# Altium PCB Jackson.PcbDoc (part 2 of 2)
Units mm, origin at the board's own origin, x right, y up, seen from the top; angles counter-clockwise.
Board outline 60 x 40 mm, 4 copper layers (Top Layer, Layer 1, Layer 2, Bottom Layer), stack 1.537 mm thick; 125 components, 101 nets, 494 pads, 259 vias.
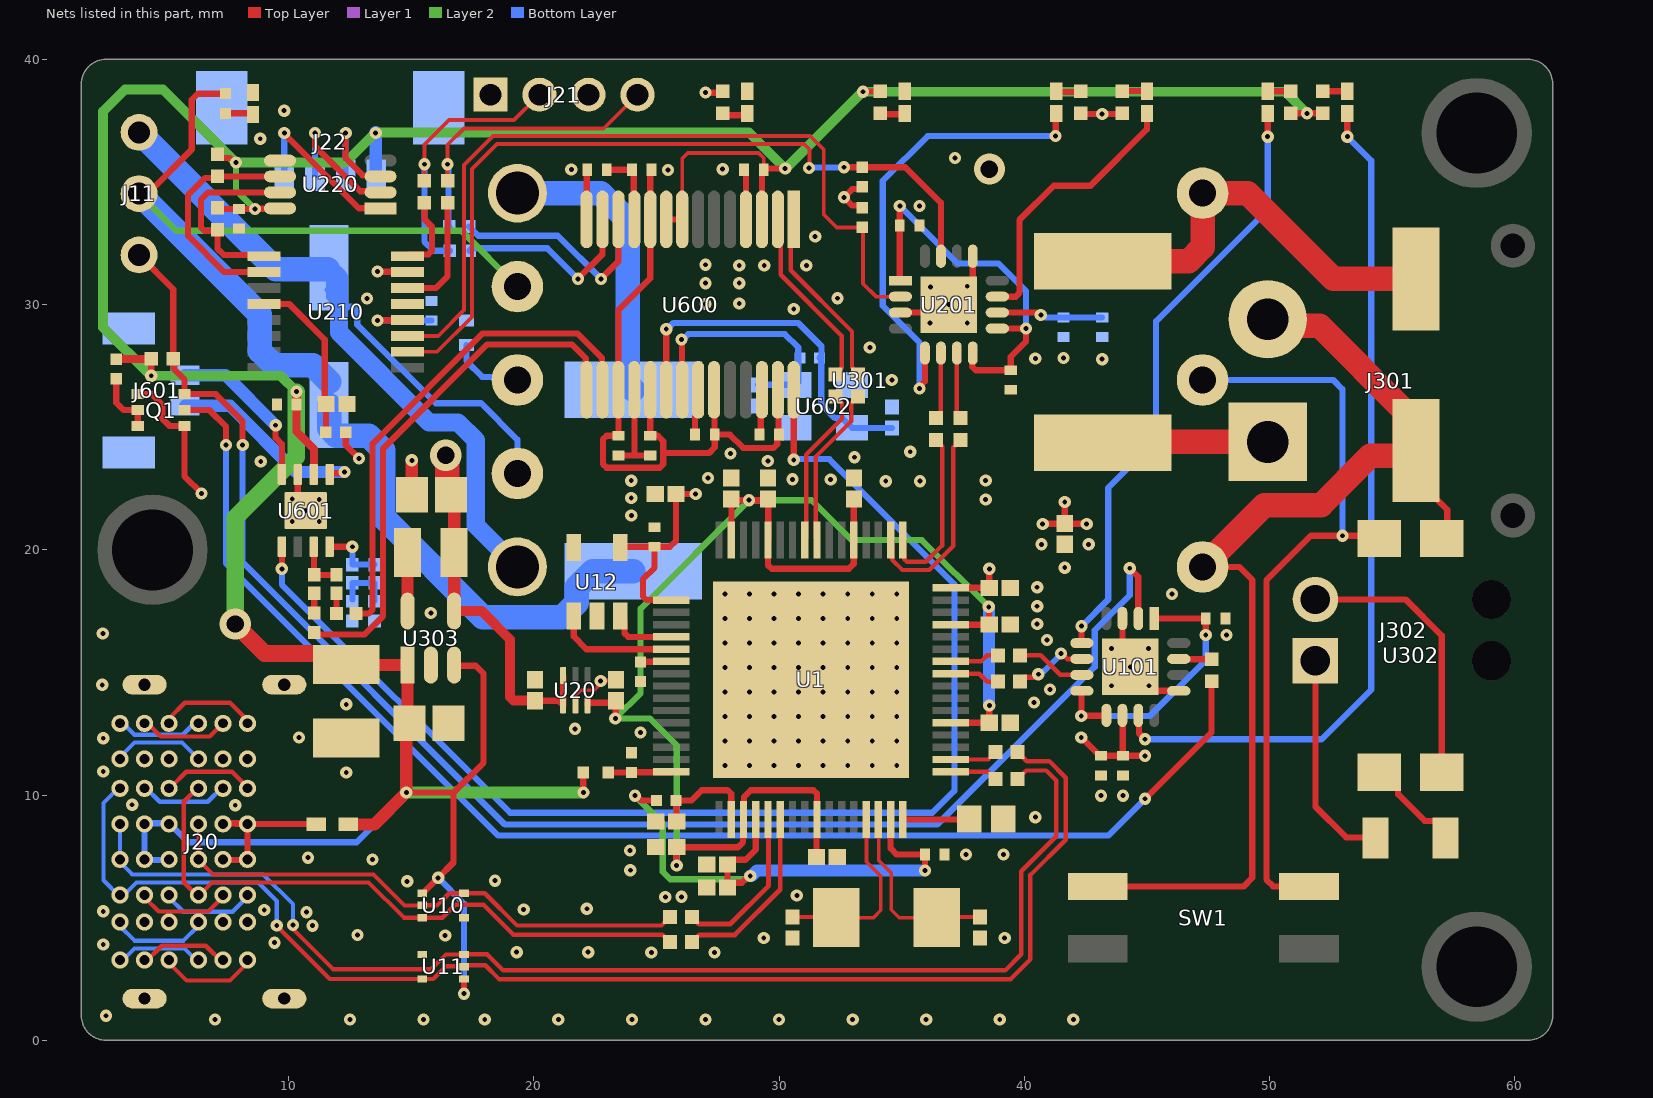
[diagram p4: the nets of this part, all layers, seen from the top]

## Via types
v1: diameter 0.5, hole 0.2, Top Layer to Bottom Layer, 256 vias
v2: diameter 1.27, hole 0.711, Top Layer to Bottom Layer, 3 vias

## Nets (pads, with @x,y where several pads share a name; then routed paths per layer and width w, separated by ;. In a path a pad name is that pad's centre, name@x,y a point inside that pad or via, vN(x,y) a via of type N, cw(c..) or ccw(c..) an arc to the next point about the centre after c; other vN are vias at no path point)
+1.1: C10.1 C11.1 C12.1 C13.1 C14.1 C15.1 C16.1 C21.1 U1.19 U1.25 U1.37 U1.45 U1.53 U1.60 U1.63 U20.3 | length 64.4
  Top Layer w0.254: U20.3@22.196,13.677 22.196,13.76 22.198,13.762 23.265,13.762 C21.1@23.337,13.835 ; v1(23.325,13.125) 23.337,13.137 C21.1@23.337,13.835 ; C21.1@23.35,13.848 C21.1@23.337,13.835 ; v1(25.825,7.125) 25.814,7.136 25.814,7.864 25.802,7.875 C16.1@25.827,7.875 28.325,7.875 28.535,8.085 28.535,8.985 U1.19@28.55,9 28.573,9.023 28.573,9.923 28.85,10.2 31.401,10.2 31.55,10.051 U1.25@31.55,9 U1.25@31.55,8.4 ; U1.63@28.068,20.395 28.059,20.404 28.059,22.014 28.05,22.023 28.051,22.024 28.774,22.024 v1(28.775,22.025) v1(28.775,22.025) 29.549,22.024 29.559,22.014 U1.60@29.559,20.404 ; U1.60@29.55,20.4 29.55,19.375 29.7,19.225 32.85,19.225 33.05,19.425 U1.53@33.05,20.376 ; C10.1@31.523,7.475 31.523,8.185 31.527,8.189 U1.25@31.527,8.4 ; U1.53@33.05,20.4 C13.1@33.05,22.073 ; U1.37@37,12.95 C11.1@38.573,12.95 ; U1.45@37.018,16.945 37.021,16.947 38.57,16.947 38.561,16.956 38.561,17.664 v1(38.55,17.675) ; C11.1@38.574,12.946 v1(38.575,13.65) v1(38.575,13.65)
  Layer 2 w0.254: v1(25.825,7.125) 25.825,12.025 24.725,13.125 v1(23.325,13.125) 24.354,14.154 24.354,17.604 v1(28.775,22.025) 31.335,22.025 32.96,20.4 35.825,20.4 v1(38.55,17.675)
  Bottom Layer w0.254: v1(38.55,17.675) v1@38.562,17.662 ; v1@38.562,13.663 v1(38.575,13.65)
  Bottom Layer w0.5: v1@38.562,13.663 v1@38.562,17.662
+3.3: C1.1 C2.1 C3.1 C4.1 C5.1 C6.1 C7.1 C20.1 C101.2 C102.2 C201.2 C202.2 C210.1 C331.2 L331.2 R30.2 R51.2 R203.2 R204.2 R205.1 R206.1 R210.2 U1.2 U1.20 U1.31 U1.48 U12.4 U20.1 U20.6 U101.10 U201.10 U210.12 U210.15 U303.4 | length 71.2
  Top Layer w0.254: R210.2@12.327,24.8 12.327,24.273 v1(12.875,23.725) ; v1@13.616,29.353 13.627,29.364 14.839,29.364 U210.12@14.85,29.375 ; v1(13.625,31.35) 13.638,31.337 14.838,31.337 U210.15@14.85,31.325 ; C331.2@16.625,22.25 C331.2@16.75,22.125 ; C20.1@20.048,13.85 C20.1@20.05,13.848 21.005,13.848 U20.1@21.196,13.657 U20.6@21.196,14.877 ; U12.4@23.525,20.1 23.55,20.125 C6.1@24.925,20.125 ; v1(24.125,9.975) 24.192,9.975 24.392,9.775 R30.2@25,9.775 ; U1.2@25.6,17.95 24.599,17.95 24.45,18.099 24.45,18.8 24.925,19.275 C6.1@24.925,20.125 ; v1(26.6,22.275) C1.1@25.802,22.275 25.802,20.377 25.55,20.125 C6.1@24.925,20.125 ; v1(27,38.65) 27.012,38.637 27.688,38.637 R51.2@27.7,38.625 ; v1(28.825,6.7) 28.758,6.7 28.486,6.427 28.104,6.427 C3.1@27.902,6.225 C2.1@27.902,7.175 28.087,7.36 28.635,7.36 29.05,7.775 U1.20@29.05,9 ; R206.1@33.4,33.952 33.313,34.039 32.986,34.039 v1(32.65,34.375) 32.986,34.711 33.313,34.711 R205.1@33.4,34.798 ; U1.31@34.55,9 34.55,7.825 34.8,7.575 C5.1@35.95,7.575 v1(35.95,6.925) ; U1.48@37.018,18.445 37.024,18.45 C7.1@38.573,18.45 38.574,18.451 38.574,19.224 v1(38.575,19.225) ; U201.10@38.9,29.675 40.508,29.675 40.608,29.575 v1(40.675,29.575) ; v1(40.75,21.05) 40.764,21.064 41.636,21.064 C4.1@41.65,21.077 ; v1(41.65,21.95) C4.1@41.65,21.077 ; R204.2@42.3,37.775 v1(43.175,37.775) R203.2@44,37.775 ; v1(42.325,12.35) 43.075,11.6 C101.2@43.125,11.6 C102.2@44.025,11.6 ; v1(42.543,21.057) 42.533,21.067 41.66,21.067 C4.1@41.65,21.077 ; U101.10@44,13.25 44.013,13.237 44.013,11.612 C102.2@44.025,11.6 ; v1(44.925,11.6) C102.2@44.025,11.6
  Top Layer w0.4: U303.4@16.75,17.5 17.875,17.5 19.025,16.35 19.025,14 19.175,13.85 C20.1@20.048,13.85
  Top Layer w0.5: U303.4@16.75,17.5 L331.2@16.75,19.9 C331.2@16.75,22.125
  Top Layer w1: v2(16.411,23.855) 16.411,23.782 16.475,23.717 16.475,22.4 C331.2@16.625,22.25
  Layer 2 w0.254: v1(24.125,9.975) 25.259,8.841 25.259,6.87 25.564,6.565 28.624,6.565 28.758,6.7 v1(28.825,6.7)
  Bottom Layer w0.254: v1@13.616,29.353 v1(13.625,29.353) C210.1@15.822,29.353 ; v1@40.842,29.475 C202.2@41.6,29.475 C201.2@43.175,29.475
  Bottom Layer w0.5: v1(28.825,6.7) 28.872,6.7 29.097,6.925 v1(35.95,6.925)
+5: C220.1 C330.1 C332.2 C600.1 C614.1 FB1.2 J20.2A4 J20.2A9 J20.2B4 J20.2B9 J22.4 R5.1 R50.2 R105.2 R106.2 R111.2 R112.2 R220.2 R221.2 U10.1 U11.1 U220.8 U303.1 U303.3 U600.3 U600.8 U600.9 U601.6 | length 164.1
  Top Layer w0.154: U600.8@26.05,33.475 26.05,35.956 26.28,36.186 29.163,36.186 29.375,35.974 C600.1@29.375,35.5
  Top Layer w0.254: v1(4.4,27.1) R112.2@4.4,27.8 ; R221.2@7.1,36.125 7.248,35.977 7.606,35.977 ; R220.2@7.113,33.913 7.1,33.9 C220.1@7.975,33.9 v1(8.625,33.9) 8.638,33.913 9.637,33.913 U220.8@9.65,33.925 ; C332.2@11.9,15.775 C332.2@12.35,15.325 C332.2@12.375,15.3 ; v1(14.8,10.1) 16.725,10.1 ; C330.1@14.8,12.8 C330.1@14.927,12.927 C330.1@14.85,13.004 ; U10.1@15.45,6 15.475,6 v1(16.1,6.625) 16.725,7.25 16.725,10.1 ; U303.3@16.75,15.3 16.775,15.275 17.625,15.275 17.95,14.95 17.95,11.325 16.725,10.1 ; v1(17.15,1.9) U11.1@17.15,2.5 ; R5.1@22.012,10.925 22.019,10.919 22.019,10.106 v1(22.025,10.1) ; U600.9@25.4,33.475 U600.8@26.05,33.475 ; U600.3@29.3,33.475 29.3,35.375 C600.1@29.375,35.45 ; C600.1@29.375,35.477 29.448,35.55 v1(30.25,35.55) ; v1(33.427,38.68) 33.437,38.69 34.085,38.69 R50.2@34.125,38.65 ; R106.2@50.875,37.8 v1(51.525,37.8) R105.2@52.175,37.8
  Top Layer w0.33: R111.2@2.963,27.778 2.974,27.789 4.389,27.789 R112.2@4.4,27.8 ; C614.1@10.322,25.923 10.322,24.819 11.032,24.109 11.032,23.082 U601.6@11.025,23.075
  Top Layer w0.35: C614.1@10.322,25.923 10.322,26.449 v1(10.324,26.451)
  Top Layer w0.5: C332.2@12.375,15.3 U303.1@14.85,15.3 C330.1@14.85,13.004 ; FB1.2@12.425,8.8 13.5,8.8 v1(14.8,10.1) C330.1@14.8,12.8
  Top Layer w0.7: v2(7.825,16.975) 9.025,15.775 C332.2@11.9,15.775
  Layer 2 w0.254: v1(7.85,35.8) 7.85,34.675 v1(8.625,33.9)
  Layer 2 w0.4: v1@10.313,26.44 v1(10.324,26.451) 9.675,27.1 v1(4.4,27.1) 2.432,29.068 2.432,37.882 3.325,38.775 4.875,38.775 v1(7.85,35.8) 12.325,35.8 13.55,37.025 28.775,37.025 v1(30.25,35.55) 30.273,35.55 33.404,38.68 50.645,38.68 v1(51.525,37.8)
  Layer 2 w0.5: v1(14.8,10.1) v1(22.025,10.1)
  Layer 2 w0.7: v2(7.825,16.975) 7.825,21.305 10.313,23.792 v1@10.313,26.44
  Bottom Layer w0.254: J20.2A9@5.125,7.35 4.125,7.35 4.125,8.85 5.125,8.85 5.9,8.075 12.775,8.075 v1(14.8,10.1) ; J22.4@13.55,35.3 J22.4@13.575,35.275 ; v1(16.1,6.625) 17.15,5.575 v1(17.15,1.9)
  Bottom Layer w0.5: J22.4@13.55,35.3 v1@13.55,37.025
  other v1: 13.55,37
Batt+: F301.1 J301.1 | length 6.7
  Top Layer w0.254: F301.1@43.2,24.375 F301.1@43.225,24.4
  Top Layer w1: F301.1@43.225,24.4 J301.1@49.925,24.4
DYN_UART: J11.3 Q1.3 R112.1 U101.2 | length 63.7
  Top Layer w0.254: J11.3@3.9,32.025 5.3,30.625 R112.1@5.3,27.8 5.34,27.76 5.34,27.36 5.75,26.95 Q1.3@5.75,26.35 7.025,26.35 8.125,25.25 v1(8.125,24.275) ; v1(44.3,19.25) 44.65,18.9 U101.2@44.65,17.2
  Bottom Layer w0.254: v1(8.125,24.275) 8.125,19.498 18.823,8.8 36.45,8.8 42.875,15.225 42.875,16.725 44.3,18.15 v1(44.3,19.25)
"Dynamixel 12V": C334.1 F302.2 J11.2 R52.2 U301.7 | length 54.1
  Top Layer w0.254: J11.2@4.25,34.525 6.05,36.325 6.05,38.35 6.303,38.603 R52.2@7.422,38.603
  Layer 2 w0.254: J11.2@3.9,34.525 5.412,33.013 17.051,33.013 U301.7@19.33,30.734
  Bottom Layer w1: J11.2@3.9,34.525 8.827,29.598 8.827,28.109 9.413,27.523 10.977,27.523 C334.1@11.65,26.85 ; C334.1@11.65,25.9 11.65,24.95 11.95,24.65 13.264,24.65 13.85,24.064 13.85,21.325 17.925,17.25 21.164,17.25 21.75,17.836 21.75,18.475 22.4,19.125 F302.2@24.05,19.125
GND: C1.2 C2.2 C3.2 C4.2 C5.2 C6.2 C7.2 C8.2 C9.2 C10.2 C11.2 C12.2 C13.2 C14.2 C15.2 C16.2 C20.2 C21.2 C30.2 C101.1 C102.1 C103.1 C201.1 C202.1 C203.1 C204.1 C210.2 C211.2 C220.2 C330.2 C331.1 C332.1 C334.2 C600.2 C601.2 C602.1 C603.1 C604.1 C605.1 C606.1 C612.1 C613.1 C614.2 C620.2 C621.2 D50.1 D51.1 D52.1 J11.1 J20.1 J20.2A1 J20.2A12 J20.2B1 J20.2B12 J20.A1 J20.A12 J20.B1 J20.B12 J21.1 J21.3 J22.5 J22.6 J601.3 J601.4 Q1.1 Q1.4 R6.1 R7.1 R8.1 R301.2 U1.65 U10.4 U11.4 U12.2 U12.5 U20.2 U101.3 U101.13 U101.17 U201.3 U201.13 U201.17 U210.13 U220.5 U301.4 U301.5 U303.2 U600.4 U600.11 U600.18 U600.22 U600.26 U601.7 U601.9 U602.2 U602.4 | length 124.6
  Top Layer w0.16: U20.2@21.696,13.677 21.698,13.679 21.698,14.076 21.897,14.275 22.453,14.275 22.678,14.5 22.678,14.603 v1(22.725,14.65) 22.751,14.676 23.324,14.676 C21.2@23.35,14.702
  Top Layer w0.254: Q1.4@3.85,26.35 4.425,26.35 4.85,25.925 4.85,25.35 5.15,25.05 Q1.1@5.75,25.05 5.75,23 v1(6.45,22.3) ; U601.9@10.227,22.075 10.375,22.223 U601.7@10.375,23.075 ; C601.2@22.975,35.5 C605.1@24,35.5 24.05,35.5 24.075,35.475 24.075,33.5 U600.11@24.1,33.475 ; C604.1@23.45,23.85 24.1,23.85 ; U600.18@24.1,26.525 24.1,23.85 ; C603.1@24.75,23.85 24.1,23.85 ; C602.1@26.575,24.725 26.575,25.406 26.7,25.531 U600.22@26.7,26.525 ; C600.2@28.575,35.5 28.575,35.45 28.65,35.375 U600.4@28.65,33.475 ; C606.1@29.2,24.7 29.254,24.754 29.254,26.479 U600.26@29.3,26.525 ; U201.3@34.95,29.675 35.902,29.675 36.15,29.427 v1(36.15,29.248) ; v1(37.675,30.748) 37.9,30.973 U201.13@37.9,31.975 ; U101.3@44,17.2 44,15.55 v1(44.325,15.225) ; v1(45.087,14.457) 45.294,14.25 U101.13@46.3,14.25
  Top Layer w0.5: C331.1@15.025,22.25 v1(15.025,23.65)
  Layer 1 w0.254: v1(27.8,12.2) v1(28.8,12.2) v1(29.8,12.2) v1(30.8,12.2) v1(31.8,12.2) v1(32.8,12.2) v1(33.8,12.2) v1(34.8,12.2) ; v1(27.8,13.2) v1(28.8,13.2) v1(29.8,13.2) v1(30.8,13.2) v1(31.8,13.2) v1(32.8,13.2) v1(33.8,13.2) v1(34.8,13.2) ; v1(27.8,14.2) v1(28.8,14.2) v1(29.8,14.2) v1(30.8,14.2) v1(31.8,14.2) U1.65@32.735,14.2 ; v1(27.8,15.2) v1(28.8,15.2) v1(29.8,15.2) ; v1(27.8,16.2) v1(28.8,16.2) v1(29.8,16.2) v1(30.8,16.2) ; v1(27.8,17.2) v1(28.8,17.2) v1(28.8,18.2) ; v1(29.8,18.2) v1(29.8,17.2) v1(30.8,17.2) ; v1(30.8,15.2) v1(30.8,16.2) ; v1(30.8,18.2) v1(30.8,17.2) ; v1(31.8,18.2) v1(31.8,17.2) ; v1(32.8,14.2) v1(33.8,14.2) v1(34.8,14.2) ; v1(32.8,18.2) v1(32.8,17.2) ; v1(33.8,18.2) v1(33.8,17.2) ; v1(34.8,15.2) v1(33.8,15.2) v1(32.8,15.2) ; v1(34.8,16.2) v1(33.8,16.2) v1(32.8,16.2) v1(32.8,15.2) ; v1(34.8,17.2) v1(33.8,17.2) ; v1(30.8,16.2) v1(31.8,16.2) v1(31.8,15.2) v1(32.8,15.2) ; v1(30.8,17.2) v1(31.8,17.2) ; v1(31.8,17.2) v1(32.8,17.2) ; v1(32.8,17.2) v1(33.8,17.2)
  Layer 2 w0.254: v1(27.8,11.2) v1(27.8,12.2) ; v1(28.8,11.2) v1(28.8,12.2) ; v1(29.8,11.2) v1(29.8,12.2) v1(29.8,13.2) ; v1(30.8,11.2) v1(30.8,12.2) ; v1(31.8,11.2) v1(31.8,12.2) ; v1(32.8,11.2) v1(32.8,12.2) ; v1(33.8,11.2) v1(33.8,12.2)
  Bottom Layer w0.254: C334.2@11.6,30.6 C334.2@12.05,30.15 ; C334.2@11.65,31.5 11.65,30.29 12.063,29.877 C334.2@12.063,29.862 ; C334.2@12.323,29.92 12.651,29.92 12.8,29.772 12.8,29.175 16,25.975 17.85,25.975 19.33,24.495 U301.5@19.33,23.114 U301.5@19.055,23.389
  Bottom Layer w0.75: C334.2@11.65,31.5 12.055,31.095 12.055,28.87 15.732,25.193 16.909,25.193 17.635,24.467 17.635,20.999 U301.4@19.33,19.304
  Bottom Layer w1: J11.1@3.9,37.025 9.475,31.45 C334.2@11.6,31.45
  other v1: 7,0.85 12.5,0.85 15.5,0.85 18,0.85 21,0.85 24,0.85 27,0.85 30,0.85 33,0.85 36,0.85 39,0.85 42,0.85 2.55,1 19.299,3.594 22.214,3.594 24.791,3.581 27.368,3.581 2.441,3.904 9.423,3.98 29.375,4.175 39.2,4.175 16.384,4.271 12.813,4.298 10.975,4.675 10.725,5.225 2.441,5.258 9.008,5.316 19.585,5.338 22.162,5.364 25.363,5.848 26.025,5.85 30.725,5.9 14.835,6.483 18.414,6.509 23.935,6.934 13.417,7.368 10.788,7.446 37.625,7.575 39.15,7.575 23.925,7.735 40.45,9.1 7.825,9.583 3.621,9.606 43.125,9.975 44.025,9.975 12.35,10.925 2.44,10.958 34.8,11.2 2.44,12.316 10.425,12.35 24.35,12.55 21.675,12.7 12.35,13.7 40.4,13.775 41.05,14.3 43.562,14.457 2.401,14.495 43.562,15.982 45.062,15.982 40.925,16.325 48.25,16.525 2.424,16.593 40.525,16.975 15.8,17.425 40.525,17.7 27.8,18.2 34.8,18.2 46.025,18.2 40.525,18.475 41.65,19.275 40.7,20.225 42.625,20.225 10.15,21.15 11.25,21.15 23.975,21.4 10.7,21.6 11.25,22.05 38.425,22.05 10.15,22.075 23.974,22.111 34.35,22.8 35.75,22.8 23.974,22.822 38.425,22.825 32.103,22.869 30.55,22.875 27.1,22.925 8.862,23.6 29.543,23.627 33.075,23.775 28.016,23.928 35.35,24 34.599,26.924 40.45,27.8 43.175,27.775 41.6,27.825 33.702,28.254 37.675,29.248 30.599,29.819 36.925,30 27,30.025 28.375,30.05 13.2,30.25 32.386,30.261 36.18,30.714 27,30.875 28.375,30.875 28.375,31.6 29.395,31.592 31.114,31.592 27,31.625 31.473,32.773 35.725,34.025 25.473,35.489 21.528,35.513 27.7,35.525 37.175,35.975 8.842,36.764 9.82,37.908
  other v2: 38.575,35.525
NetC8_1: C8.1 U1.29 Y1.2 | length 7.7
  Top Layer w0.154: C8.1@30.55,5.029 32.296,5.029 Y1.2@32.325,5 33.85,5 34.15,5.3 34.15,6.7 33.568,7.282 U1.29@33.568,8.995
NetC9_1: C9.1 U1.30 Y1.1 | length 7.7
  Top Layer w0.154: U1.30@34.068,8.995 34.068,7.332 34.575,6.825 34.575,5.325 34.9,5 Y1.1@36.425,5 36.454,5.029 C9.1@38.2,5.029
NetC30_1: C30.1 R30.1 U1.18 | length 4.4
  Top Layer w0.254: C30.1@25.827,8.925 25.814,8.939 25.814,9.761 R30.1@25.8,9.775 26.425,9.775 26.85,10.2 27.901,10.2 28.05,10.051 U1.18@28.05,9
NetC103_2: C103.2 U101.1 U101.8 U101.9 | length 11.9
  Top Layer w0.254: v1(42.325,13.225) v1@42.337,13.237 ; U101.8@42.35,14.25 42.337,14.237 v1@42.337,13.237 ; U101.9@43.35,13.25 43.338,13.237 v1@42.338,13.237 ; U101.1@45.3,17.2 C103.2@47.4,17.2 v1(47.4,16.525)
  Bottom Layer w0.254: v1(42.325,13.225) 45.125,13.225 47.4,15.5 v1(47.4,16.525)
NetC203_2: C203.2 C204.2 U201.1 U201.8 U201.9 | length 16.6
  Top Layer w0.254: v1(34.925,34.025) C204.2@34.925,33.225 34.925,31.048 34.877,31.048 U201.1@34.95,30.975 ; U201.8@37.9,28.025 37.875,28 37.875,27.475 38.025,27.325 C203.2@39.45,27.325 39.45,27.875 40.075,28.5 v1(40.075,29.025) U201.9@38.9,29.025
  Bottom Layer w0.254: v1(34.925,34.025) 37.278,31.672 38.953,31.672 40.075,30.55 v1(40.075,29.025)
NetC211_1: C211.1 R210.1 U210.4 | length 6.9
  Top Layer w0.254: U210.4@9,30.025 10.025,30.025 11.475,28.575 11.475,25.95 11.523,25.902 R210.1@11.523,24.8
NetC301_1: C301.1 F301.2 U301.1 | length 16.7
  Top Layer w1: F301.2@43.2,31.775 46.7,31.775 47.275,32.35 47.275,34.539 U301.1@47.27,34.544 49.106,34.544 52.6,31.05 C301.1@55.975,31.05
NetC301_2: C301.2 J301.2 SW1.1 U301.3 U302.3 | length 44.5
  Top Layer w0.254: SW1.1@42.995,6.27 48.94,6.27 49.3,6.63 49.3,18.775 48.771,19.304 U301.3@47.27,19.304 ; C301.2@55.975,24.05 55.975,22.9 C301.2@56.798,22.077 ; C301.2@56.799,22.077 57.245,21.631 U302.3@57.245,20.49
  Top Layer w1: U301.3@47.27,19.304 49.791,21.825 52.1,21.825 54.111,23.836 55.761,23.836 C301.2@55.975,24.05 55.525,24.5 55.525,25.65 52.042,29.133 50.192,29.133 J301.2@49.925,29.4
NetC601_1: C601.1 U600.14 | length 2.1
  Top Layer w0.254: U600.14@22.15,33.475 22.163,33.488 22.163,35.563 C601.1@22.175,35.575
NetC602_2: C602.2 C603.2 C604.2 C605.2 C606.2 U600.10 U600.17 U600.19 U600.23 U600.27 | length 28.8
  Top Layer w0.254: U600.19@24.75,26.525 C603.2@24.75,24.65 24.762,24.662 25.05,24.662 25.279,24.432 25.279,23.966 ; C605.2@24.75,35.575 U600.10@24.75,33.475 24.75,31.078 23.45,29.778 U600.17@23.45,26.525 C604.2@23.45,24.65 22.968,24.65 22.819,24.501 22.819,23.5 22.968,23.351 25.131,23.351 25.279,23.5 25.279,23.966 ; U600.23@27.35,26.525 27.363,26.512 C602.2@27.363,24.737 ; U600.27@29.95,26.525 29.975,26.5 29.975,24.725 29.927,24.677 29.927,24.305 29.778,24.157 28.536,24.157 27.993,24.7 C602.2@27.375,24.7 27.381,24.694 27.381,24.182 27.143,23.944 25.302,23.944 25.279,23.966
NetC607_1: C607.1 J21.4 R212.2 | length 12.6
  Top Layer w0.154: R212.2@16.482,35.029 v1(16.482,35.725) 16.482,36.516 17.154,37.187 22.854,37.187 J21.4@24.228,38.562
  Bottom Layer w0.254: v1(16.482,35.725) 16.518,35.689 16.518,33.225 C607.1@16.555,33.189
NetC607_2: C607.2 U600.12 | length 9
  Top Layer w0.254: v1(22.739,31.047) 23.45,31.758 U600.12@23.45,33.475
  Bottom Layer w0.254: C607.2@17.355,33.189 17.733,32.81 20.975,32.81 v1(22.739,31.047)
NetC608_1: C608.1 J21.2 R211.2 | length 11.4
  Top Layer w0.154: R211.2@15.539,34.975 v1(15.539,35.725) 15.539,36.524 16.54,37.525 19.191,37.525 J21.2@20.228,38.562
  Bottom Layer w0.254: v1(15.539,35.725) 15.539,32.572 15.911,32.2 C608.1@16.576,32.2
NetC608_2: C608.2 U600.13 | length 7.8
  Top Layer w0.254: v1(21.8,31.05) 22.8,32.05 U600.13@22.8,33.475
  Bottom Layer w0.254: C608.2@17.376,32.2 17.471,32.295 20.555,32.295 v1(21.8,31.05)
NetC610_1: C610.1 U600.16 | length 20.5
  Top Layer w0.254: C610.1@12.75,17.4 13.275,17.4 13.425,17.55 13.425,24.33 17.92,28.825 21.775,28.825 22.783,27.817 22.783,26.542 U600.16@22.8,26.525
NetC610_2: C610.2 R610.1 | length 0.8
  Top Layer w0.254: C610.2@11.95,17.4 R610.1@11.95,18.225
NetC611_1: C611.1 U600.15 | length 21.5
  Top Layer w0.254: C611.1@11.05,16.625 11.125,16.55 13.1,16.55 13.85,17.3 13.85,24.122 18.103,28.375 21.55,28.375 22.12,27.805 22.12,26.555 U600.15@22.15,26.525
NetC611_2: C611.2 R611.1 | length 0.8
  Top Layer w0.254: C611.2@11.05,17.425 R611.1@11.05,18.225
NetC612_2: C612.2 C613.2 R612.1 R613.1 | length 2.3
  Bottom Layer w0.254: C612.2@12.6,17.975 R612.1@12.6,18.65 R613.1@13.5,18.65 C613.2@13.5,17.925
NetC620_1: C620.1 R620.1 U600.20 U602.1 | length 15
  Top Layer w0.254: U600.20@25.4,26.525 v1(25.4,29)
  Bottom Layer w0.254: v1(25.4,29) 25.442,29 25.692,29.25 30.785,29.25 31.73,28.305 31.73,27.905 R620.1@31.65,27.825 ; R620.1@31.72,27.825 31.72,25.93 32.277,25.373 32.577,25.373 32.979,24.971 C620.1@34.6,24.971
NetC621_1: C621.1 R620.2 U600.21 U602.3 | length 10.2
  Top Layer w0.254: v1(26.025,28.575) 26.037,28.563 26.037,26.537 U600.21@26.05,26.525
  Bottom Layer w0.254: v1(26.025,28.575) 26.072,28.575 26.297,28.8 30.232,28.8 30.78,28.252 30.78,26.83 U602.3@30.675,26.725 30.671,26.729 C621.1@29.15,26.729
NetD50_2: D50.2 R50.1 | length 1
  Top Layer w0.254: R50.1@34.125,37.75 34.137,37.762 35.112,37.762 D50.2@35.125,37.775
NetD51_2: D51.2 R51.1 | length 1
  Top Layer w0.254: R51.1@27.7,37.725 27.702,37.723 28.67,37.723 D51.2@28.673,37.721
NetD52_2: D52.2 R52.1 | length 1.1
  Top Layer w0.254: R52.1@7.425,37.8 8.5,37.8 D52.2@8.55,37.75
NetD101_1: D101.1 U101.11 | length 35.1
  Top Layer w0.254: U101.11@44.65,13.25 44.678,13.222 44.678,12.522 v1(44.925,12.275) ; v1(53.175,36.85) D101.1@53.175,37.8
  Bottom Layer w0.254: v1(44.925,12.275) 52.122,12.275 54.15,14.303 54.15,35.875 v1(53.175,36.85)
NetD101_2: D101.2 R105.1 | length 1
  Top Layer w0.254: R105.1@52.175,38.7 D101.2@53.175,38.7
NetD102_1: D102.1 U101.5 | length 24.9
  Top Layer w0.254: v1(42.337,16.887) 42.337,16.212 U101.5@42.35,16.2 ; v1(49.925,36.85) D102.1@49.925,37.8
  Bottom Layer w0.254: v1(42.337,16.887) 43.425,17.975 43.425,22.525 45.375,24.475 45.375,29.325 49.925,33.875 v1(49.925,36.85) v1@49.925,37.048
NetD102_2: D102.2 R106.1 | length 1
  Top Layer w0.254: D102.2@49.925,38.7 R106.1@50.875,38.7
NetD201_1: D201.1 U201.11 | length 11.4
  Top Layer w0.254: U201.11@38.9,30.325 39.651,30.325 39.8,30.474 39.8,33.45 41.2,34.85 42.7,34.85 45,37.15 D201.1@45,37.85
NetD201_2: D201.2 R203.1 | length 1
  Top Layer w0.254: R203.1@44,38.675 44.037,38.712 44.962,38.712 D201.2@45,38.75
NetD202_1: D202.1 U201.5 | length 19.3
  Top Layer w0.254: v1(35.725,26.575) 35.725,26.642 35.95,26.867 U201.5@35.95,28.025 ; v1(41.275,36.875) 41.287,36.888 41.287,37.763 D202.1@41.3,37.775
  Bottom Layer w0.254: v1(35.725,26.575) 35.725,28.459 34.232,29.952 34.232,35.049 36.058,36.875 v1(41.275,36.875)
NetD202_2: D202.2 R204.1 | length 1
  Top Layer w0.254: D202.2@41.3,38.675 R204.1@42.3,38.675
NetF302_1: F302.1 U301.8 | length 12
  Bottom Layer w1: U301.8@19.33,34.544 22.731,34.544 23.825,33.45 23.825,26.75 F302.1@24.05,26.525
NetFB1_1: FB1.1 J20.A4 J20.A9 J20.B4 J20.B9 | length 6.9
  Top Layer w0.254: J20.B4@7.325,7.35 8.325,7.35 J20.A4@8.325,8.85 ; J20.B9@7.325,8.85 J20.A4@8.325,8.85 ; 7.85,8.825 FB1.1@11.249,8.825 ; J20.A4@8.35,8.875 J20.A4@8.325,8.85
NetJ20_2A5: J20.2A5 J20.A5 | length 3.7
  Top Layer w0.18: J20.2A5@5.125,10.35 5.225,10.35 5.825,10.95 7.691,10.95 8.291,10.35 J20.A5@8.325,10.35
NetJ20_2A8: J20.2A8 J20.A8 | length 3.7
  Bottom Layer w0.18: J20.2A8@5.125,5.85 5.125,5.825 5.7,5.25 7.725,5.25 J20.A8@8.325,5.85
NetJ20_2B5: J20.2B5 J20.B5 | length 3.7
  Top Layer w0.18: J20.2B5@4.125,5.85 4.125,5.825 4.7,5.25 6.725,5.25 J20.B5@7.325,5.85
NetJ20_2B8: J20.2B8 J20.B8 | length 3.7
  Bottom Layer w0.18: J20.2B8@4.125,10.35 4.75,9.725 6.7,9.725 J20.B8@7.325,10.35
NetJ22_1: J22.1 U220.1 | length 6.9
  Top Layer w0.254: v1@9.825,36.975 12.866,33.934 13.741,33.934 U220.1@13.75,33.925
  Bottom Layer w0.254: J22.1@9.825,35.275 v1@9.825,36.975
  other v1: 9.825,37
NetJ22_2: J22.2 U220.2 | length 5.7
  Top Layer w0.254: v1@11.075,36.975 11.075,36.468 12.924,34.619 13.707,34.619 U220.2@13.75,34.575
  Bottom Layer w0.254: J22.2@11.075,35.275 v1@11.075,36.975
  other v1: 11.075,37
NetJ22_3: J22.3 U220.3 | length 4.5
  Top Layer w0.254: v1(12.325,37) 12.325,35.969 13.026,35.269 13.707,35.269 U220.3@13.75,35.225
  Bottom Layer w0.254: J22.3@12.325,35.275 v1(12.325,37)
NetJ302_1: J302.1 R302.1 | length 8.9
  Top Layer w0.254: J302.1@51.87,15.475 51.875,15.47 51.875,9.525 53.125,8.275 R302.1@54.323,8.275
NetJ302_2: J302.2 U302.2 | length 11.3
  Top Layer w0.254: J302.2@51.87,17.975 55.55,17.975 57.02,16.505 U302.2@57.02,10.935
NetJ601_1: J601.1 U601.8 | length 6.7
  Top Layer w0.254: v1(9.471,25.08) 9.471,24.564 9.725,24.309 U601.8@9.725,23.075
  Bottom Layer w0.5: J601.1@5.775,27.125 7.426,27.125 v1(9.471,25.08)
NetJ601_2: J601.2 U601.5 | length 8.3
  Top Layer w0.254: U601.5@11.675,23.075 11.675,23.08 11.723,23.128 12.228,23.128 v1(12.275,23.175)
  Bottom Layer w0.5: J601.2@5.775,25.875 7.608,25.875 10.308,23.175 v1(12.275,23.175)
NetL331_1: L331.1 U303.5 | length 2.4
  Top Layer w0.5: U303.5@14.85,17.5 L331.1@14.85,19.9
NetQ1_2: Q1.2 R110.2 | length 56
  Top Layer w0.254: Q1.2@5.75,25.7 6.775,25.7 7.45,25.025 v1(7.45,24.275) ; v1(44.925,9.85) 47.638,12.563 R110.2@47.638,14.455
  Bottom Layer w0.254: v1(7.45,24.275) 7.45,19.44 18.543,8.346 43.421,8.346 v1(44.925,9.85)
NetQ1_5: Q1.5 Q1.6 R111.1 | length 2.6
  Top Layer w0.254: R111.1@2.963,26.973 2.972,26.964 2.972,26.002 3.274,25.7 Q1.5@3.85,25.7 Q1.6@3.85,25.05
NetR5_2: R5.2 R6.2 U1.16 | length 2.6
  Top Layer w0.254: R5.2@23.038,10.925 23.925,10.925 23.935,10.935 25.609,10.935 U1.16@25.618,10.945
NetR7_2: R7.2 U1.32 | length 2.7
  Top Layer w0.254: U1.32@35.05,9 37.725,9 R7.2@37.75,9.025
NetR8_2: R8.2 U1.7 | length 1.3
  Top Layer w0.254: R8.2@24.354,15.424 24.367,15.437 25.587,15.437 U1.7@25.6,15.45
NetR110_1: R110.1 U101.15 | length 1.3
  Top Layer w0.254: U101.15@46.3,15.55 46.313,15.538 R110.1@47.637,15.538
NetR205_2: R205.2 U201.15 U210.10 | length 32.5
  Top Layer w0.154: U210.10@14.85,28.075 16.05,28.075 17.476,29.501 17.476,35.526 18.503,36.553 31.022,36.553 31.242,36.333 31.242,35.592 v1(31.225,35.575)
  Top Layer w0.254: v1(32.65,35.6) 32.651,35.601 33.399,35.601 R205.2@33.4,35.602 35.148,35.602 36.6,34.15 U201.15@36.6,31.975
  Bottom Layer w0.254: v1(31.225,35.575) 31.237,35.588 32.638,35.588 v1(32.65,35.6)
NetR206_2: R206.2 U201.2 U210.11 | length 32.5
  Top Layer w0.154: U210.11@14.85,28.725 16.1,28.725 17.154,29.779 17.154,35.699 18.334,36.879 31.271,36.879 31.825,36.325 31.825,33.675 32.352,33.148 R206.2@33.4,33.148 33.425,33.123 33.425,30.85 33.95,30.325 U201.2@34.95,30.325
NetR211_1: R211.1 U210.16 | length 3.1
  Top Layer w0.254: U210.16@14.85,31.975 14.923,32.048 15.699,32.048 15.848,32.197 15.848,33.183 15.538,33.492 R211.1@15.538,34.074
NetR212_1: R212.1 U210.14 | length 4.8
  Top Layer w0.254: U210.14@14.85,30.675 15.998,30.675 16.482,31.159 R212.1@16.482,34.129
NetR220_1: R220.1 U210.1 U220.7 | length 8
  Top Layer w0.254: U210.1@9,31.975 8.947,32.028 7.347,32.028 7.1,32.275 7.1,33 6.574,33 6.425,33.149 6.425,34.275 6.725,34.575 U220.7@9.65,34.575
NetR221_1: R221.1 U210.2 U220.6 | length 9.4
  Top Layer w0.254: U210.2@9,31.325 7.375,31.325 5.9,32.8 5.9,34.475 6.593,35.168 7.043,35.168 R221.1@7.1,35.225 U220.6@9.65,35.225
NetR301_1: R301.1 U301.6 | length 3.1
  Bottom Layer w0.254: R301.1@17.25,28.35 17.25,27.7 17.899,27.051 19.203,27.051 U301.6@19.33,26.924
NetR302_2: R302.2 U302.1 | length 4.1
  Top Layer w0.254: U302.1@54.705,10.96 54.835,10.96 55.243,10.552 55.243,10.03 56.328,8.945 56.775,8.945 57.177,8.543 R302.2@57.177,8.25
NetR600_1: R600.1 U1.56 | length 6.6
  Top Layer w0.18: U1.56@31.55,20.4 31.49,20.46 31.49,23.79 32.951,25.251 32.951,25.976 33.223,26.248 R600.1@33.225,26.248
NetR600_2: R600.2 U600.1 | length 7.5
  Top Layer w0.18: U600.1@30.6,33.475 30.472,33.347 30.472,31.403 32.974,28.901 32.974,27.452 33.029,27.397 33.029,27.346 33.173,27.202 R600.2@33.225,27.202
NetR601_1: R601.1 U1.57 | length 6.6
  Top Layer w0.18: U1.57@31.05,20.4 31.11,20.46 31.11,23.885 32.568,25.343 32.568,25.982 R601.1@32.3,26.248 R601.1@32.3,26.248
NetR601_2: R601.2 U600.2 | length 7.5
  Top Layer w0.18: U600.2@29.95,33.475 29.95,32.461 30.064,32.347 30.064,31.215 32.55,28.729 32.55,27.433 32.459,27.342 32.459,27.284 32.302,27.127 R601.2@32.3,27.127
NetR610_2: R610.2 R611.2 U601.3 | length 2.1
  Top Layer w0.254: U601.3@11.025,20.125 11.038,20.112 11.038,18.988 R611.2@11.05,18.975 R610.2@11.95,18.975
NetR612_2: R612.2 R613.2 U601.4 | length 2.6
  Top Layer w0.254: U601.4@11.675,20.125 v1(12.6,20.125)
  Bottom Layer w0.254: v1(12.6,20.125) R612.2@12.6,19.4 R613.2@13.5,19.4
NetSW1_4: SW1.4 U301.2 U302.4 | length 31.5
  Top Layer w0.254: SW1.4@51.605,6.27 51.602,6.273 50.154,6.273 49.873,6.553 49.873,18.76 51.689,20.575 v1(52.975,20.575) 54.62,20.575 U302.4@54.705,20.49
  Bottom Layer w0.254: U301.2@47.27,26.924 47.271,26.925 52.6,26.925 52.975,26.55 v1(52.975,20.575)
NetU1_5: U1.5 U12.3 | length 2.7
  Top Layer w0.254: U12.3@23.525,17.3 23.698,17.127 23.698,16.599 23.847,16.45 U1.5@25.6,16.45
NetU1_6: U1.6 U12.1 | length 5
  Top Layer w0.254: U12.1@21.625,17.3 21.625,16.468 22.143,15.95 U1.6@25.6,15.95
NetU600_28: U600.28 U601.1 | length 53.2
  Top Layer w0.254: v1(9.725,19.225) U601.1@9.725,20.125 ; v1(30.599,23.669) U600.28@30.6,26.525
  Bottom Layer w0.254: v1(9.725,19.225) 9.725,18.582 19.032,9.275 36.251,9.275 37.15,10.174 37.15,18.6 32.05,23.7 30.629,23.7 v1(30.599,23.669)
USB_DYN_N: R101.2 U101.7 | length 2.9
  Top Layer w0.18: R101.2@39.827,15.7 40.675,15.7 41.471,14.904 42.346,14.904 U101.7@42.35,14.9
USB_DYN_P: R102.2 U101.6 | length 2.8
  Top Layer w0.2: v1(41.5,15.775) 41.532,15.775 41.754,15.554 42.346,15.554 U101.6@42.35,15.55
  Top Layer w0.229: R102.2@39.827,14.625 39.827,14.627 39.997,14.797 v1@40.373,14.797
  Bottom Layer w0.229: v1(40.575,14.925) 40.648,14.925 40.784,15.061 40.815,15.061 v1@41.514,15.761
USB_I2C_N: R201.1 U1.50 | length 8.3
  Top Layer w0.18: U1.50@34.55,20.4 34.61,20.34 34.61,19.597 35.03,19.177 36.122,19.177 37.102,20.157 37.102,24.177 R201.1@37.4,24.473
USB_I2C_P: R202.1 U1.49 | length 6.9
  Top Layer w0.18: U1.49@35.05,20.4 35.11,20.34 35.11,19.615 35.215,19.509 35.985,19.509 36.648,20.173 36.648,24.227 R202.1@36.5,24.375
USB_IN_N: J20.A7 J20.B7 R2.1 U10.3 | length 25.9
  Top Layer w0.17: J20.A7@6.325,5.887 6.877,6.439 13.261,6.439 14.7,5 U10.3@15.45,5
  Top Layer w0.18: J20.A7@6.325,5.887 6.325,5.85 5.725,6.45 5.725,9.725 J20.B7@6.342,10.342 ; U10.3@15.45,5 16.275,5 16.8,5.525 17.95,5.525 19.164,4.311 22.387,4.311 25.239,4.311 25.548,4.002 R2.1@25.548,4
USB_IN_P: J20.A6 J20.B6 R1.1 U10.2 U10.5 | length 22.4
  Top Layer w0.17: J20.A6@6.325,7.35 6.913,6.762 13.463,6.762 14.725,5.5 U10.2@15.45,5.5
  Top Layer w0.18: J20.A6@6.325,7.35 J20.B6@6.325,8.85 ; U10.2@15.45,5.5 16.05,5.5 16.55,6 17.125,6 U10.5@17.15,6 18,6 19.317,4.683 22.233,4.683 25.205,4.683 25.352,4.829 25.354,4.829 R1.1@25.548,5.025 R1.1@25.548,5.025
USB_UART_N: R101.1 U1.42 | length 2
  Top Layer w0.18: U1.42@37,15.45 38.239,15.45 38.489,15.7 R101.1@38.923,15.7
USB_UART_P: R102.1 U1.41 | length 2.1
  Top Layer w0.18: U1.41@37,14.95 38.164,14.95 38.489,14.625 R102.1@38.923,14.625
USBC_RX1_N: J20.2A10 J20.A10 | length 3.8
  Top Layer w0.18: J20.2A10@4.125,3.15 4.831,3.856 6.619,3.856 J20.A10@7.325,3.15
USBC_RX1_P: J20.2A11 J20.A11 | length 3.8
  Top Layer w0.18: J20.2A11@5.125,3.15 5.838,2.437 7.612,2.437 J20.A11@8.325,3.15
USBC_RX2_N: J20.2B10 J20.B10 | length 3.7
  Bottom Layer w0.17: J20.2B10@3.125,11.55 3.713,12.138 5.651,12.138 6.239,11.55 J20.B10@6.325,11.55
USBC_RX2_P: J20.2B11 J20.B11 | length 3.7
  Bottom Layer w0.17: J20.2B11@3.126,13.05 3.716,12.46 5.683,12.46 6.272,13.05 J20.B11@6.325,13.05
USBC_TX1_N: J20.2B3 J20.B3 | length 3.7
  Bottom Layer w0.17: J20.2B3@3.125,4.65 3.713,4.062 5.712,4.062 6.3,4.65 J20.B3@6.325,4.65
USBC_TX1_P: J20.2B2 J20.B2 | length 3.7
  Bottom Layer w0.17: J20.2B2@3.125,3.15 3.713,3.738 5.762,3.738 5.975,3.525 6.325,3.175 J20.B2@6.325,3.15
USBC_TX2_N: J20.2A3 J20.A3 | length 3.8
  Top Layer w0.18: J20.2A3@4.125,13.05 4.786,12.389 6.785,12.389 7.325,12.929 J20.A3@7.325,13.05
USBC_TX2_P: J20.2A2 J20.A2 | length 3.8
  Top Layer w0.18: J20.2A2@5.125,13.05 5.125,13.125 5.764,13.764 7.611,13.764 J20.A2@8.325,13.05
USBCIN_N: R4.1 U1.34 | length 1.9
  Top Layer w0.18: U1.34@37,11.45 38.525,11.45 38.823,11.748 R4.1@38.823,11.75
USBCIN_P: R3.1 U1.33 | length 1.9
  Top Layer w0.18: U1.33@37.018,10.945 38.519,10.945 38.642,10.822 38.653,10.822 38.823,10.652 R3.1@38.823,10.65
USBIN_N: R2.2 U1.22 | length 7.3
  Top Layer w0.2: R2.2@26.452,4 26.452,4.002 26.75,4.3 28.2,4.3 30.05,6.15 U1.22@30.05,9
USBIN_P: R1.2 U1.21 | length 6.6
  Top Layer w0.2: R1.2@26.452,5.025 R1.2@26.452,5.025 26.733,4.742 28.017,4.742 29.575,6.3 29.575,8.975 U1.21@29.55,9
USBOUT_N: J20.2A7 J20.2B7 R4.2 U11.2 U11.5 | length 55.9
  Top Layer w0.18: v1@9.517,4.658 11.675,2.5 U11.5@15.45,2.5 15.896,2.5 16.42,3.024 17.126,3.024 U11.2@17.15,3 17.208,3.058 17.364,3.058 17.365,3.06 18.015,3.06 18.58,2.495 39.445,2.495 40.25,3.3 40.25,6.743 41.689,8.182 41.689,10.711 41.025,11.375 40.102,11.375 39.913,11.564 39.911,11.564 39.727,11.748 R4.2@39.727,11.75
  Top Layer w0.381: v1@9.517,4.658 v1(9.517,4.683)
  Bottom Layer w0.17: J20.2B7@3.125,10.35 2.45,9.675 2.45,6.525 3.125,5.85 3.211,5.85 3.799,6.438 8.762,6.438 9.517,5.683 v1(9.517,4.683)
USBOUT_P: J20.2A6 J20.2B6 R3.2 U11.3 | length 51.1
  Top Layer w0.18: v1(10.175,4.7) 10.236,4.639 10.236,4.478 11.811,2.903 15.82,2.903 16.417,3.5 U11.3@17.15,3.5 17.152,3.502 18.101,3.502 18.753,2.85 39.225,2.85 39.88,3.505 39.88,6.896 41.306,8.322 41.306,10.594 40.9,11 40.077,11 39.913,10.836 39.911,10.836 39.727,10.652 R3.2@39.727,10.65
  Bottom Layer w0.17: J20.2B6@3.125,8.85 3.125,7.35 3.125,7.264 3.627,6.762 8.963,6.762 10.175,5.55 v1@10.175,4.717
USBTOI2C_N: R201.2 U201.7 | length 2.7
  Top Layer w0.18: U201.7@37.25,28.025 37.25,25.527 R201.2@37.4,25.377
USBTOI2C_P: R202.2 U201.6 | length 2.7
  Top Layer w0.18: R202.2@36.4,25.377 36.402,25.377 36.596,25.571 36.596,25.673 36.6,25.677 U201.6@36.6,28.025
pads on no net: J301.21 J302. SW1.2 SW1.3 U1.1 U1.3 U1.4 U1.8 U1.9 U1.10 U1.11 U1.12 U1.13 U1.14 U1.15 U1.17 U1.23 U1.24 U1.26 U1.27 U1.28 U1.35 U1.36 U1.38 U1.39 U1.40 U1.43 U1.44 U1.46 U1.47 U1.51 U1.52 U1.54 U1.55 U1.58 U1.59 U1.61 U1.62 U1.64 U20.4 U20.5 U101.4 U101.12 U101.14 U101.16 U201.4 U201.12 U201.14 U201.16 U210.3 U210.5 U210.6 U210.7 U210.8 U210.9 U220.4 U600.5 U600.6 U600.7 U600.24 U600.25 U601.2

## Polygon pours and split planes (outlines as drawn)
+3.3 on Layer 2 "+3.3_L03_P003" (solid, pour order 3): 2.202,39.251 cw(c2.448,39.251) 2.448,39.497 60.407,39.497 cw(c60.407,38.879) 61.025,38.879 61.025,1.447 cw(c60.142,1.447) 60.142,0.564 31.628,0.564 31.628,15.684 2.202,15.684
GND on Layer 2 "GND_L03_P002" (solid, pour order 2): 2.196,15.213 31.364,15.12 31.364,0.564 2.77,0.564 cw(c2.77,1.138) 2.196,1.138
GND on Layer 1 "GND_L02_P001" (solid, pour order 1): 2.201,39.227 cw(c2.47,39.227) 2.47,39.497 60.55,39.497 cw(c60.539,39.011) 61.024,39 61.024,1.251 cw(c60.335,1.251) 60.335,0.562 2.706,0.562 cw(c2.706,1.068) 2.201,1.068
GND on Top Layer "GND_L01_P005" (solid, remove dead copper, pour order 5): 2.052,38.892 cw(c2.659,38.892) 2.659,39.5 60.378,39.5 cw(c60.378,38.828) 61.05,38.828 61.05,1.258 cw(c60.318,1.232) 60.344,0.5 2.537,0.5 cw(c2.559,1.061) 1.998,1.082
GND on Bottom Layer "GND_L04_P007" (solid, remove dead copper, pour order 7): 2.061,38.895 cw(c2.668,38.895) 2.669,39.502 60.388,39.502 cw(c60.388,38.831) 61.059,38.831 61.059,1.26 cw(c60.327,1.234) 60.354,0.502 2.546,0.502 cw(c2.568,1.063) 2.007,1.085

## Keep-outs
Top Layer:
  lines w0.254: 26.275,25.1 26.275,24.35 26.975,24.35 ; 27.675,28.125 27.675,31.875
Bottom Layer:
  lines w0.254: 10.875,33.2 12.475,33.2 12.475,29.825 10.9,29.825
Keep-Out Layer:
  circle w0.254: c19.33,23.114 r0.8
  circle w0.254: c3.9,37.025 r0.971

## Silkscreen, mask and mechanical layers (free items; w line width, h text height)
Top Overlay:
  lines w0.254: 39.125,36.975 39.875,36.975 40.15,36.7 40.15,34.756 40.15,33.65 ; 40.15,33.6 46.275,33.6 ; 46.325,35.475 46.325,36.725 46.575,36.975 47.025,36.975 ; 47.775,37 48.5,37 48.725,36.775 48.725,33.65 ; 48.725,33.6 54.45,33.6 ; 54.45,33.65 54.45,36.7 54.775,37.025 55.375,37.025
  text "12V" at 10.025,37.8 h1.25
  text "USB" at 36.114,37.724 h1
  text "3V3" at 29.875,37.7 h1
  text "TX" at 44.3,35.55 h0.8
  text "RX" at 40.751,35.531 h0.8
  text "RX" at 49.3,35.475 h0.8
  text "TX" at 52.55,35.45 h0.8
  text "DYNAM" at 49.225,34.05 h1
  text "LED" at 41.922,34.039 h1
  text "STO->" at 46.021,10.155 h1
  text "N/A" at 45.992,8.754 h1
  text ".Project_Name" at 13.095,0.634 h1.25
Bottom Overlay:
  text "36-60V" at 52.514,36.799 h1 r90
  text "MIC" at 22.747,36.141 h1.25
  text "-" at 52.605,20.542 h1.52 r90
  text "BOTTOM: INPUT" at 21.824,14.259 h1 r90
  text "TOP: OUTPUT" at 24.375,14.245 h1.15 r90
  text "+" at 52.364,12.729 h1.52
Mechanical 1:
  the board outline again, w0.254
Bottom Assembly:
  lines w0.2: 1.55,22.7 6.725,22.7 6.725,29.85 1.55,29.85 1.55,22.7
  text ".Designator" at 3.95,26.275 h1 r90
Bottom Courtyard:
  lines w0.2: 1.55,22.7 6.725,22.7 6.725,29.85 1.55,29.85 1.55,22.7
Bottom Component Center:
  lines w0.1: 3.8,26.275 4.8,26.275 ; 4.3,25.775 4.3,26.775

## Text inside footprints (layer, text, board x,y; h text height)
C301: Top Overlay "+" at 56.725,33.5 h1.5 r90
C334: Bottom Overlay "+" at 12.4,23.8 h1.5 r90